# Altium PCB PDU.PcbDoc (continued)
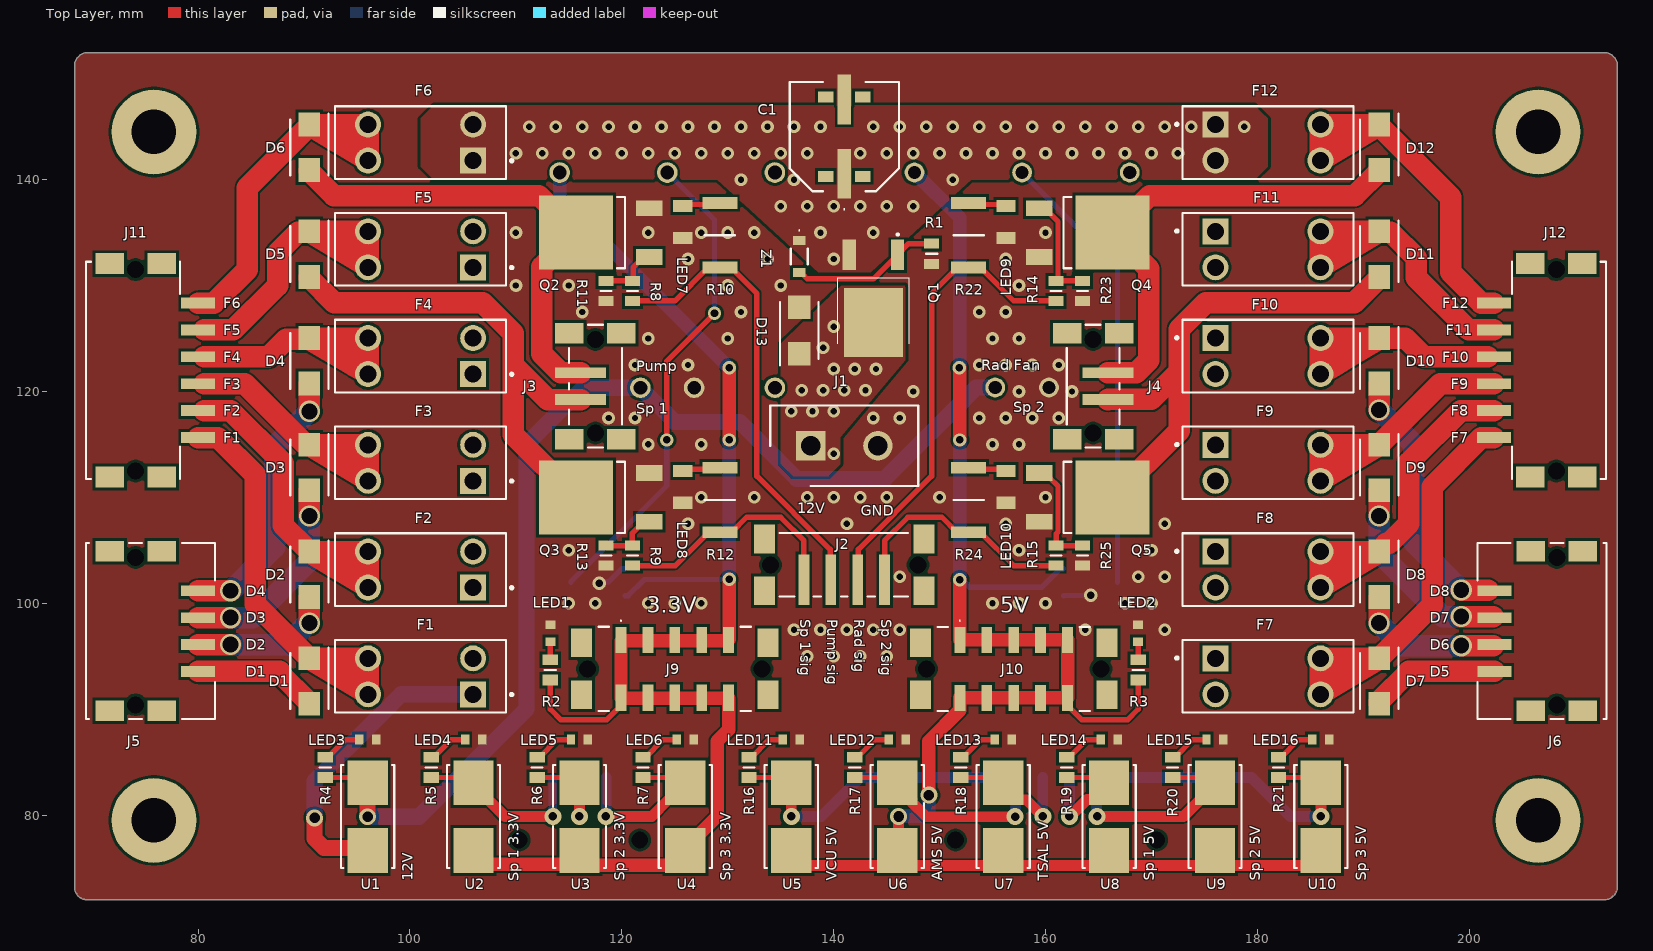
[diagram p0: Top Layer view]
## Part data (continued)
LED1 LED2 LED3 LED4 LED5 LED6 LED11 LED12 LED13 LED14 LED15 LED16: "LED", Arrow Part Number=19-217/GHC-YR1S2/3T, Manufacturer_Name=Everlight, Mouser Part Number=638-19217GHCYR1S23T, Arrow Price/Stock=https://www.arrow.com/en/products/19-217ghc-yr1s23t/everlight-electronics, Datasheet Link=https://www.mouser.co.uk/datasheet/2/143/19-217-GHC-YR1S2-3T-1663276.pdf, Height=0.5mm, Manufacturer_Part_Number=19-217/GHC-YR1S2/3T, Mouser Price/Stock=https://www.mouser.co.uk/ProductDetail/Everlight/19-217-GHC-YR1S2-3T?qs=8cKuZ6Ok2lZjmFTUzVFjDg%3D%3D
LED7 LED8 LED9 LED10: "LED", Manufacturer_Name=Kingbright, Mouser Part Number=604-APTR3216-VFX, Datasheet Link=https://componentsearchengine.com/Datasheets/1/APTR3216-VFX.pdf, Height=1.25mm, Manufacturer_Part_Number=APTR3216-VFX, Mouser Price/Stock=https://www.mouser.co.uk/ProductDetail/Kingbright/APTR3216-VFX?qs=PzGy0jfpSMt1rhGZsZb%2Fqw%3D%3D
PS1: "Power Supply", Manufacturer_Name="Traco Power", Manufacturer_Part_Number="THL 15-2411WI", Mouser Part Number=495-THL15-2411WI, Datasheet Link=https://tracopower.com/thl15wi-datasheet/, Mouser Price/Stock=https://www.mouser.co.uk/ProductDetail/TRACO-Power/THL-15-2411WI?qs=vLWxofP3U2zTxW0y6%2FAPOg%3D%3D
PS2: "Power Supply", Manufacturer_Name="Traco Power", Manufacturer_Part_Number="THN 15-2410N", Mouser Part Number=495-THN15-2410N, Datasheet Link=https://tracopower.com/thn15n-datasheet/, Height=10.4mm, Mouser Price/Stock=https://www.mouser.co.uk/ProductDetail/TRACO-Power/THN-15-2410N?qs=lc2O%252BfHJPVZmX9t5SPwnew%3D%3D
Q1: "MOSFET (P-Channel)", Manufacturer_Name=onsemi, Mouser Part Number=512-FDD6685, Arrow Part Number=FDD6685, Arrow Price/Stock=https://www.arrow.com/en/products/fdd6685/on-semiconductor?region=nac, Datasheet Link=https://www.onsemi.com/pub/Collateral/FDD6685-D.PDF, Height=2.39mm, Manufacturer_Part_Number=FDD6685, Mouser Price/Stock=https://www.mouser.co.uk/ProductDetail/onsemi-Fairchild/FDD6685?qs=lOBONITtCKxDT3dikVb2%252Bg%3D%3D
Q2 Q3 Q4 Q5: library part CMP-32901-000715-1, "MOSFET N-CH 55V 42A DPAK", Case/Package=TO-252-3, Continuous Drain Current (ID)=42A, Drain to Source Resistance=13.5mR, Drain to Source Voltage (Vdss)=55V, Gate to Source Voltage (Vgs)=16V, Input Capacitance=1.57nF, Max Operating Temperature=175°C, Max Power Dissipation=110W, Min Operating Temperature=-55°C, Halogen Free="Halogen Free", Height=0.094inch, Lead Free="Contains Lead", Length=0.264inch, Max Dual Supply Voltage=55V, Mount="Surface Mount", Number of Pins=3, Packaging="Cut Tape", Power Dissipation=110W, Rds On Max=13.5mR, RoHS Compliant=Yes, Series=HEXFET®, Turn-Off Delay Time=24ns, Turn-On Delay Time=14ns, Width=0.245inch
R1 R11 R13 R23 R25: "Resistor", Manufacturer_Name="Yageo Group", Mouser Part Number=603-RC0805FR-0710KL, Arrow Part Number=RC0805FR-0710KL, Arrow Price/Stock=https://www.arrow.com/en/products/rc0805fr-0710kl/yageo.html?utm_currency=USD&region=europe, Datasheet Link=https://www.yageo.com/upload/media/product/productsearch/datasheet/rchip/PYu-RC_Group_51_RoHS_L_11.pdf, Height=0.6mm, Manufacturer_Part_Number=RC0805FR-0710KL, Mouser Price/Stock=https://www.mouser.co.uk/ProductDetail/YAGEO/RC0805FR-0710KL?qs=7bY8808IzHq6vrU3BeiiYw%3D%3D
R2 R3 R4 R5 R6 R7 R16 R17 R18 R19 R20 R21: "Resistor", Manufacturer_Name="TE Connectivity", Mouser Part Number=279-CRG0805F470R, Arrow Part Number=CRG0805F470R, Arrow Price/Stock=https://www.arrow.com/en/products/crg0805f470r/te-connectivity?region=nac, Datasheet Link=https://www.te.com/commerce/DocumentDelivery/DDEController?Action=srchrtrv&DocNm=1773204&DocType=Data%20Sheet&DocLang=English&PartCntxt=1623232-1&DocFormat=pdf, Height=0.65mm, Manufacturer_Part_Number=CRG0805F470R, Mouser Price/Stock=https://www.mouser.co.uk/ProductDetail/TE-Connectivity-Holsworthy/CRG0805F470R?qs=VHcS2MTj4gY7OTd8XzqSww%3D%3D
R8 R9 R14 R15: "Resistor", Manufacturer_Name="Yageo Group", Mouser Part Number=603-RC0805FR-0733RL, Arrow Part Number=RC0805FR-0733RL, Arrow Price/Stock=https://www.arrow.com/en/products/rc0805fr-0733rl/yageo?region=nac, Datasheet Link=https://www.yageo.com/upload/media/product/productsearch/datasheet/rchip/PYu-RC_Group_51_RoHS_L_12.pdf, Height=0.6mm, Manufacturer_Part_Number=RC0805FR-0733RL, Mouser Price/Stock=https://www.mouser.co.uk/ProductDetail/YAGEO/RC0805FR-0733RL?qs=g6xwsc4j%252B%2Fq7KbipsIEOLQ%3D%3D
R10 R12 R22 R24: "Resistor", Manufacturer_Name="Yageo Group", Mouser Part Number=603-RC2512JK-07470RL, Arrow Part Number=RC2512JK-07470RL, Arrow Price/Stock=https://www.arrow.com/en/products/rc2512jk-07470rl/yageo, Datasheet Link=https://componentsearchengine.com/Datasheets/2/RC2512JK-07470RL.pdf, Height=0.65mm, Manufacturer_Part_Number=RC2512JK-07470RL, Mouser Price/Stock=https://www.mouser.com/Search/Refine.aspx?Keyword=603-RC2512JK-07470RL
U1 U2 U3 U4 U5 U6 U7 U8 U9 U10: "Undefined or Miscellaneous", Manufacturer_Name=LITTELFUSE, Mouser Part Number=576-01550900M, Arrow Part Number=01550900M, Arrow Price/Stock=https://www.arrow.com/en/products/01550900m/littelfuse.html?utm_currency=USD&region=europe, Datasheet Link=http://www.littelfuse.com/~/media/electronics/datasheets/fuses/littelfuse_fuse_154_154t_154l_154tl_datasheet.pdf.pdf, Height=3.81mm, Manufacturer_Part_Number=01550900M, Mouser Price/Stock=https://www.mouser.co.uk/ProductDetail/Littelfuse/01550900M?qs=DDoybve0rC%252BTXq1hqi5X1g%3D%3D
VR1 VR2: "Variable Resistor", Manufacturer_Name="Nidec Copal", Mouser Part Number=229-SM-42TX103, Datasheet Link=https://www.nidec-copal-electronics.com/e/catalog/trimmer/sm-42&sm-43.pdf, Height=5.3mm, Manufacturer_Part_Number=SM-42TX103, Mouser Price/Stock=https://www.mouser.co.uk/ProductDetail/Nidec-Components/SM-42TX103?qs=XeJtXLiO41SMjpR%2FkLkejw%3D%3D
Z1: "Zener Diode", Manufacturer_Name="Yageo Group", Arrow Part Number=BZT52C10W, Arrow Price/Stock=https://www.arrow.com/en/products/bzt52c10w/yageo.html?utm_currency=USD&region=europe, Datasheet Link=https://www.yageo.com/upload/media/product/products/datasheet/cpc/diode/zener/BZT52CXXW_1.pdf, Height=1.15mm, Manufacturer_Part_Number=BZT52C10W

## Free pads (board coordinates)
  round 8 hole 4.2: 6(206.5,79.5) 7(206.5,144.5) 8(75.828,144.5) 9(75.828,79.5)

## Via types
v1: diameter 1.2, hole 0.6, Top Layer to Bottom Layer, tented both sides, 158 vias
v2: diameter 2, hole 1.5, Top Layer to Bottom Layer, 12 vias
v3: diameter 1.27, hole 0.711, Top Layer to Bottom Layer, 10 vias
v4: diameter 1.6, hole 0.8, Top Layer to Bottom Layer, 9 vias
v5: diameter 1.6, hole 1, Top Layer to Bottom Layer, 4 vias

## Nets (pads, with @x,y where several pads share a name; then routed paths per layer and width w, separated by ;. In a path a pad name is that pad's centre, name@x,y a point inside that pad or via, vN(x,y) a via of type N, cw(c..) or ccw(c..) an arc to the next point about the centre after c; other vN are vias at no path point)
1: D1.1 F1.2 J11.A6 | length 48.7
  Top Layer w2.032: J11.A6 81.85,115.65 85.375,112.125 85.375,99.935 90.391,94.919 90.491,94.919 90.5,94.91 D1.1 ; D1.1 D1.1@90.509,94.701 ; D1.1 96.04,94.81 F1.2@96.04,91.41 ; D1.1@90.509,94.701 93.898,93.862 cw(c93.409,91.889) 95.164,92.914 95.165,92.912 F1.2@96.04,91.41 ; D1.1@90.509,94.701 F1.2@96.04,91.41
2: D2.1 F2.2 J11.A5 | length 41.3
  Top Layer w2.032: J11.A5@80.584,118.19 83.06,118.19 88.036,113.214 88.036,107.352 90.391,104.997 D2.1@90.491,104.997 ; D2.1@90.491,104.997 D2.1 ; D2.1@90.491,104.997 90.5,104.988 D2.1 ; D2.1 D2.1@90.509,104.779 ; D2.1 96.04,104.888 F2.2@96.04,101.488 ; D2.1@90.509,104.779 93.916,103.89 cw(c93.403,101.924) 95.141,102.977 95.143,102.974 F2.2@96.04,101.488 ; D2.1@90.509,104.779 F2.2@96.04,101.488
3: D3.1 F3.2 J11.A4 | length 34.8
  Top Layer w2.032: J11.A4@80.584,120.73 84.395,120.73 90.05,115.075 D3.1@90.491,115.075 ; D3.1@90.491,115.075 D3.1 ; D3.1@90.491,115.075 90.5,115.066 D3.1 ; D3.1 D3.1@90.509,114.857 ; D3.1 96.04,114.966 F3.2@96.04,111.566 ; D3.1@90.509,114.857 93.89,114.014 cw(c93.399,112.042) 95.147,113.078 95.148,113.076 F3.2@96.04,111.566 ; D3.1@90.509,114.857 F3.2@96.04,111.566
3.3V: J9.A1 J9.A2 J9.A3 J9.A4 J9.A5 J9.B1 J9.B2 J9.B3 J9.B4 J9.B5 PS2.3 R2.2 U2.1 U3.1 U4.1 VR2.3 | length 136.5
  Top Layer w0.508: R2.2 113.25,90 114.25,89 118.567,89 119.92,90.353 119.92,91.015 J9.B1
  Top Layer w1.27: U2.1 107.3,75.375 114.726,75.375 U3.1@116,76.649 ; U3.1 U3.1@116,76.649 ; J9.B1@119.92,91.015 130.08,91.015 130.08,88.08 129,87 129,79.89 126,76.89 U4.1 124.575,75.25 117.399,75.25 U3.1@116,76.649 ; J9.B1 119.92,96.485 J9.A3@125,96.485 ; J9.A3 J9.A3@125,96.485 ; v3(130.125,102.25) 130.125,96.593 J9.A5 130.018,96.485 J9.A3@125,96.485 ; v3(130.125,115.42) v3(130.125,122.25)
  Bottom Layer w0.508: VR2.3 120.6,100.73 122.12,102.25 v3(130.125,102.25)
  Bottom Layer w1.27: PS2.3 114.13,138.245 v3(130.125,122.25) ; v3(130.125,102.25) v3(130.125,115.42)
4: D4.1 F4.2 J11.A3 | length 29.5
  Top Layer w2.032: J11.A3@80.584,123.27 86.645,123.27 88.31,124.935 90.491,124.935 90.5,124.944 D4.1 93.906,125.044 96.04,125.044 F4.2@96.04,121.644 ; D4.1@90.425,124.915 94.756,122.392 94.758,122.391 F4.2@96.04,121.644 ; 93.906,124.08 cw(c93.426,122.106) 95.184,123.125 95.185,123.123 F4.2@96.04,121.644
5: D5.1 F5.2 J11.A2 | length 38
  Top Layer w2.032: J11.A2@80.584,125.81 83.31,125.81 87.5,130 87.5,133.118 89.395,135.013 90.491,135.013 90.5,135.022 D5.1 ; D5.1 D5.1@90.509,135.013 ; D5.1 96.04,135.122 F5.2@96.04,131.722 ; D5.1@90.509,135.013 93.931,134.114 cw(c93.415,132.149) 95.157,133.196 95.158,133.193 F5.2@96.04,131.722 ; D5.1@90.509,135.013 F5.2@96.04,131.722
5V: J10.A1 J10.A2 J10.A3 J10.A4 J10.A5 J10.B1 J10.B2 J10.B3 J10.B4 J10.B5 PS1.3 R3.2 U5.1 U6.1 U7.1 U8.1 U9.1 U10.1 VR1.3 | length 167.7
  Top Layer w0.508: J10.B5 162.08,90.35 163.43,89 167.75,89 168.75,90 R3.2
  Top Layer w1.016: U5.1 137.425,75.25 144.575,75.25 U6.1 ; v5(146.125,79.875) 146.125,76.8 U6.1 ; v3(151.875,122.25) v3@151.898,122.227 ; v3@151.898,115.443 v3(151.92,115.42) ; U10.1 184.575,75.25 177.425,75.25 U9.1 174.575,75.25 167.425,75.25 U8.1 164.575,75.25 157.425,75.25 U7.1 154.575,75.25 147.425,75.25 U6.1
  Top Layer w1.27: v5(148.991,81.887) 148.991,86.991 151.92,89.92 J10.B1 J10.B3 J10.B4 J10.B5 J10.A5 J10.A4 J10.A3 J10.A2 J10.A1 v3(151.92,102.235) ; v3@151.898,115.443 v3@151.898,122.227
  Bottom Layer w0.508: v3(151.92,102.235) 152.126,102.235 152.862,101.5 159.63,101.5 161.4,103.27 VR1.3
  Bottom Layer w1.27: v5(146.125,79.875) 146.127,79.877 148.377,79.877 148.991,80.491 v5(148.991,81.887) ; PS1.3 151.92,136.385 151.92,122.295 v3(151.875,122.25) ; v3(151.92,102.235) v3(151.92,115.42)
6: D6.1 F6.2 J11.A1 | length 44.4
  Top Layer w2.032: J11.A1 81.475,128.35 84.625,131.5 84.625,139.225 D6.1@90.5,145.1 ; D6.1@90.5,145.1 D6.1 ; D6.1@90.5,145.1 D6.1@90.509,145.091 ; D6.1 D6.1@90.509,145.091 ; D6.1 96.04,145.2 F6.2@96.04,141.8 ; D6.1@90.509,145.091 93.906,144.237 cw(c93.411,142.267) 95.162,143.297 95.164,143.294 F6.2@96.04,141.8 ; D6.1@90.509,145.091 F6.2@96.04,141.8
7: D7.1 F7.2 J12.A1 | length 48.3
  Top Layer w2.032: D7.1@191.5,94.91 191.509,94.919 191.609,94.919 196.5,99.81 196.5,111 201.15,115.65 J12.A1@202.325,115.65 ; F7.2@185.96,91.41 186.835,92.912 186.836,92.914 cw(c188.591,91.889) 188.102,93.862 D7.1@191.491,94.701 ; F7.2@185.96,91.41 D7.1@191.491,94.701 ; F7.2@185.96,91.41 185.96,94.81 D7.1 D7.1@191.491,94.701
8: D8.1 F8.2 J12.A2 | length 42.1
  Top Layer w2.032: J12.A2@202.325,118.19 199.19,118.19 194.298,113.298 194.298,107.516 192.461,105.679 192.191,105.679 191.5,104.988 D8.1@191.5,104.888 ; F8.2@185.96,101.488 186.955,103.079 cw(c188.678,102.002) 188.197,103.976 D8.1@191.491,104.779 ; F8.2@185.96,101.488 D8.1@191.491,104.779 ; F8.2@185.96,101.488 185.96,104.888 D8.1@191.5,104.888 ; D8.1@191.491,104.779 D8.1@191.5,104.888
9: D9.1 F9.2 J12.A3 | length 35.6
  Top Layer w2.032: D9.1 185.96,114.966 F9.2@185.96,111.566 ; D9.1@191.5,115.066 191.509,115.075 D9.1@191.609,115.075 ; J12.A3@202.325,120.73 197.264,120.73 D9.1@191.609,115.075 ; F9.2@185.96,111.566 186.848,113.069 cw(c188.597,112.036) 188.103,114.007 D9.1@191.491,114.857 ; F9.2@185.96,111.566 D9.1@191.491,114.857 ; D9.1@191.491,114.857 191.539,114.945 D9.1@191.609,115.075
10: D10.1 F10.2 J12.A4 | length 29.8
  Top Layer w2.032: 188.18,124.102 ccw(c188.675,122.132) 186.961,123.222 186.959,123.22 F10.2@185.96,121.644 ; D10.1@191.491,124.935 188.68,123.262 187.392,122.496 187.391,122.495 F10.2@185.96,121.644 ; J12.A4@201.741,123.27 195.73,123.27 193.956,125.044 D10.1 188.18,125.044 185.96,125.044 F10.2@185.96,121.644
11: D11.1 F11.2 J12.A5 | length 38.2
  Top Layer w2.032: D11.1@191.5,135.022 191.509,135.013 192.612,135.013 195,132.625 195,130.75 199.94,125.81 J12.A5@202.325,125.81 ; F11.2@185.96,131.722 186.842,133.193 cw(c188.585,132.149) 188.069,134.114 D11.1@191.491,135.013 ; F11.2@185.96,131.722 D11.1@191.491,135.013 ; F11.2@185.96,131.722 185.96,135.122 D11.1 ; D11.1@191.491,135.013 D11.1 ; D11.1@191.491,135.013 D11.1
12: D12.1 F12.2 J12.A6 | length 44.2
  Top Layer w2.032: D12.1@191.509,145.091 198.25,138.35 198.25,131.25 201.15,128.35 J12.A6@202.325,128.35 ; F12.2@185.96,141.8 186.836,143.294 cw(c188.589,142.267) 188.094,144.237 D12.1@191.491,145.091 ; F12.2@185.96,141.8 D12.1@191.491,145.091 ; F12.2@185.96,141.8 185.96,145.2 D12.1 D12.1@191.491,145.091
12V: C1.1 F1.1 F2.1 F3.1 F4.1 F5.1 F6.1 F7.1 F8.1 F9.1 F10.1 F11.1 F12.1 Q1.3 U1.1 Z1.1 | length 29.2
  Top Layer w1.524: v5(91,79.75) 91,77.783 91.893,76.89 U1.1@96,76.89
  Bottom Layer w1.524: v5(91,79.75) 91,83.236 96.933,89.169 96.968,89.169 98.281,90.482 98.281,90.517 99.174,91.41 F1.1@105.96,91.41
  other v1: 140,132.5 138.75,135 143.75,135 135,137.5 137.5,137.5 140,137.5 142.5,137.5 145,137.5 147.5,137.5 131.25,140 136.25,140 151.25,140 110,142.5 112.5,142.5 115,142.5 117.5,142.5 120,142.5 122.5,142.5 125,142.5 127.5,142.5 130,142.5 132.5,142.5 135,142.5 137.5,142.5 142.5,142.5 145,142.5 147.5,142.5 150,142.5 152.5,142.5 155,142.5 157.5,142.5 160,142.5 162.5,142.5 165,142.5 167.5,142.5 170,142.5 172.5,142.5 111.25,145 113.75,145 116.25,145 118.75,145 121.25,145 123.75,145 126.25,145 128.75,145 131.25,145 133.75,145 136.25,145 138.75,145 143.75,145 146.25,145 148.75,145 151.25,145 153.75,145 156.25,145 158.75,145 161.25,145 163.75,145 166.25,145 168.75,145 171.25,145 173.75,145 178.75,145
"12V Fused": PS1.1 PS2.1 R4.2 U1.2 | length 105.2
  Top Layer w0.508: R4.2 95.505,83.55 U1.2
  Top Layer w1.524: v5(96,79.849) U1.2
  Bottom Layer w1.524: v5(96,79.849) 100.849,79.849 111,90 111,115 116.35,120.35 PS2.1 124.978,117.122 131.128,117.122 136.5,111.75 144.816,111.75 153.441,120.375 PS1.1
+12: D13.1 J1.1 Q1.2
  other v1: 140,114.125 136,118.125 138,118.125 140,118.125 137,120.125 139,120.125 141,120.125 143,120.125 140,122.125 142,122.125 144,122.125 139,124.125 140,126.125
"AMS 5V": J8.A5 R17.2 U6.2 | length 21.4
  Top Layer w0.508: R17.2 145.29,83.55 U6.2@146,82.84
  Top Layer w1.016: U6.2@145.505,83.55 U6.2 146,82.84 147.397,81.443 147.397,81.2 148.744,79.853 v4(157.126,79.853)
  Bottom Layer w1.016: v4(157.126,79.853) 157.188,79.915 157.188,83.548 J8.A5
D1: D1.2 J5.A4 | length 11.9
  Top Layer w2.032: J5.A4 87.685,93.565 87.685,93.425 90.5,90.61 D1.2 D1.2@90.491,90.519
D2: D2.2 J5.A3 | length 13.7
  Top Layer w2.032: J5.A3 v2(83.054,96.105) ; v2@90.5,98.25 D2.2
  Bottom Layer w2.032: v2(83.054,96.105) 88.355,96.105 v2@90.5,98.25
  other v2: 90.5,98.125
D3: D3.2 J5.A2 | length 19.4
  Top Layer w2.032: J5.A2 v2(83.054,98.645) ; v2(90.5,108.25) D3.2
  Bottom Layer w2.032: v2(83.054,98.645) 85.145,98.645 90.5,104 v2(90.5,108.25)
D4: D4.2 J5.A1 | length 25.7
  Top Layer w2.032: J5.A1 v2(83.054,101.185) ; v2(90.5,118.125) D4.2
  Bottom Layer w2.032: v2@83.119,101.185 87.25,105.316 87.25,114.875 v2(90.5,118.125)
D5: D7.2 J6.A1 | length 12.3
  Top Layer w2.032: D7.2 191.509,90.519 191.509,90.759 194.315,93.565 J6.A1
D6: D8.2 J6.A2 | length 14.1
  Top Layer w2.032: v2(191.5,98.125) D8.2 ; v2(199.25,96) J6.A2@202.27,96
  Bottom Layer w2.032: v2(191.5,98.125) 193.625,96 v2(199.25,96)
D7: D9.2 J6.A3 | length 19.2
  Top Layer w2.032: v2(191.5,108.25) D9.2 ; v2(199.25,98.75) J6.A3@202.27,98.75
  Bottom Layer w2.032: v2(191.5,108.25) 191.5,104.75 197.5,98.75 v2(199.25,98.75)
D8: D10.2 J6.A4 | length 25.2
  Top Layer w2.032: v2(191.5,118.25) D10.2 ; v2(199.25,101.25) J6.A4@201.791,101.25
  Bottom Layer w2.032: v2(191.5,118.25) 194.75,115 194.75,105.75 v2(199.25,101.25)
GND: C1.2 D13.2 J1.2 LED1.1 LED2.1 LED3.1 LED4.1 LED5.1 LED6.1 LED7.1 LED8.1 LED9.1 LED10.1 LED11.1 LED12.1 LED13.1 LED14.1 LED15.1 LED16.1 PS1.2 PS2.2 Q2.3 Q3.3 Q4.3 Q5.3 R1.1 R11.1 R13.1 R23.1 R25.1 VR1.1 VR2.1 | length 5.6
  Bottom Layer w0.508: v3(117.875,101.875) 118.021,102.021 118.751,102.021 120,103.27 VR2.1 ; VR1.1 161.71,100.74 164.24,100.74 v3(164.25,100.75)
  other v1: 137.5,95 140,95 142.5,95 145,95 136.25,97.5 138.75,97.5 141.25,97.5 143.75,97.5 146.25,97.5 163.75,97.5 171.25,97.5 115,100 117.5,100 122.5,100 125,100 127.5,100 155,100 157.5,100 160,100 167.5,100 170,100 146.25,102.5 168.75,102.5 171.25,102.5 115,105 157.5,105 170,105 126.25,107.5 141.25,107.5 156.25,107.5 171.25,107.5 127.5,110 132.5,110 137.5,110 140,110 142.5,110 145,110 150,110 160,110 122.5,115 127.5,115 155,115 157.5,115 118.75,117.5 121.25,117.5 143.75,117.5 146.25,117.5 153.75,117.5 156.25,117.5 158.75,117.5 161.25,117.5 147.5,120 157.5,120 162.5,120 121.25,122.5 126.25,122.5 153.75,122.5 156.25,122.5 158.75,122.5 161.25,122.5 122.5,125 130,125 155,125 157.5,125 116.25,127.5 131.25,127.5 153.75,127.5 156.25,127.5 110,130 115,130 130,130 135,130 157.5,130 126.25,132.5 133.75,132.5 156.25,132.5 110,135 122.5,135 127.5,135 130,135 132.5,135 160,135
NetLED1_2: LED1.2 R2.1 | length 1.7
  Top Layer w0.508: R2.1 LED1.2
NetLED2_2: LED2.2 R3.1 | length 1.7
  Top Layer w0.508: R3.1 LED2.2
NetLED3_2: LED3.2 R4.1 | length 3.9
  Top Layer w0.508: R4.1 92.225,85.45 93.9,87.125 LED3.2
NetLED4_2: LED4.2 R5.1 | length 3.9
  Top Layer w0.508: R5.1 102.225,85.45 103.9,87.125 LED4.2
NetLED5_2: LED5.2 R6.1 | length 3.9
  Top Layer w0.508: R6.1 112.225,85.45 113.9,87.125 LED5.2
NetLED6_2: LED6.2 R7.1 | length 3.9
  Top Layer w0.508: R7.1 122.225,85.45 123.9,87.125 LED6.2
NetLED7_2: LED7.2 R10.1 | length 3.6
  Top Layer w0.508: LED7.2 125.9,137.65 129.1,137.65 R10.1
NetLED8_2: LED8.2 R12.1 | length 3.6
  Top Layer w0.508: LED8.2 125.9,112.65 129.1,112.65 R12.1
NetLED9_2: LED9.2 R22.1 | length 3.6
  Top Layer w0.508: R22.1 152.9,137.65 156.1,137.65 LED9.2
NetLED10_2: LED10.2 R24.1 | length 3.6
  Top Layer w0.508: R24.1 152.9,112.65 156.1,112.65 LED10.2
NetLED11_2: LED11.2 R16.1 | length 3.9
  Top Layer w0.508: R16.1 132.225,85.45 133.9,87.125 LED11.2
NetLED12_2: LED12.2 R17.1 | length 3.9
  Top Layer w0.508: R17.1 142.225,85.45 143.9,87.125 LED12.2
NetLED13_2: LED13.2 R18.1 | length 3.9
  Top Layer w0.508: R18.1 152.225,85.45 153.9,87.125 LED13.2
NetLED14_2: LED14.2 R19.1 | length 3.9
  Top Layer w0.508: R19.1 162.225,85.45 163.9,87.125 LED14.2
NetLED15_2: LED15.2 R20.1 | length 3.9
  Top Layer w0.508: R20.1 172.225,85.45 173.9,87.125 LED15.2
NetLED16_2: LED16.2 R21.1 | length 3.9
  Top Layer w0.508: R21.1 182.225,85.45 183.9,87.125 LED16.2
NetPS1_4: PS1.4 VR1.2 | length 42.4
  Bottom Layer w0.508: PS1.4 166.8,131.665 VR1.2
NetPS2_4: PS2.4 VR2.2 | length 46.1
  Top Layer w0.508: v3(124.25,115.42) 124.25,122.875 v3(128.75,127.375)
  Bottom Layer w0.508: VR2.2 115.2,102.05 124.25,111.1 v3(124.25,115.42) ; PS2.4 128.75,136.21 v3(128.75,127.375)
NetQ1_1: Q1.1 R1.2 Z1.2 | length 14.1
  Top Layer w0.508: Z1.2 136.925,131.225 137.223,130.927 137.223,130.923 137.521,130.625 143.755,130.625 Q1.1 147.08,133.95 R1.2
NetQ2_1: Q2.1 R8.2 R11.2 | length 5.7
  Top Layer w0.508: R11.2 R8.2 121.062,130.512 121.062,131.687 122.075,132.7 Q2.1
NetQ3_1: Q3.1 R9.2 R13.2 | length 5.7
  Top Layer w0.508: R13.2 R9.2 121,106.625 122.075,107.7 Q3.1
NetQ4_1: Q4.1 R14.2 R23.2 | length 10.4
  Top Layer w0.508: Q4.1 159.921,136.804 160.421,136.804 161.183,136.042 161.183,130.633 R14.2 161.183,130.45 R23.2
NetQ5_1: Q5.1 R15.2 R25.2 | length 10.3
  Top Layer w0.508: Q5.1 159.921,111.804 160.446,111.804 161.183,111.067 161.183,106.74 161,106.557 R15.2 ; R15.2@161.183,105.45 R25.2
Pump: D6.2 J3.A1 Q2.4 | length 44.9
  Top Layer w2.032: D6.2 90.509,140.891 90.509,140.791 92.8,138.5 112.175,138.5 Q2.4 112.43,131.755 112.43,123.57 114.23,121.77 J3.A1
"Pump sig": J2.A2 R8.1 R10.2 | length 44
  Top Layer w0.508: R8.1 125,128.55 128.15,131.7 130.35,131.7 130.646,131.404 130.646,131.354 132.75,129.25 132.75,112.012 139.672,105.089 139.672,102.283 J2.A2
"Rad fan": D12.2 J4.A2 Q4.4 | length 45.5
  Top Layer w2.032: J4.A2 168.56,121.77 169.75,122.96 169.75,131.575 Q4.4 169.825,138.5 189.2,138.5 191.5,140.8 D12.2
"Rad fan sig": J2.A3 R14.1 R22.2 | length 44
  Top Layer w0.508: J2.A3 142.328,102.283 142.328,105.089 149.25,112.012 149.25,129.25 151.354,131.354 151.354,131.404 152.454,131.404 R22.2 153.85,131.7 157,128.55 R14.1
"Spare 1": D5.2 J3.A2 Q3.4 | length 47.2
  Top Layer w2.032: D5.2 90.509,130.813 90.509,130.713 92.847,128.375 106.875,128.375 109.75,125.5 109.75,115.925 Q3.4 ; 109.75,122.5 113.02,119.23 J3.A2
"Spare 1 3.3V": J7.A3 R5.2 U2.2 | length 17.6
  Top Layer w0.508: R5.2 105.29,83.55 U2.2@106,82.84
  Top Layer w1.016: U2.2@105.505,83.55 U2.2 106,82.84 108.974,79.866 113.491,79.866 v4(113.5,79.875)
  Bottom Layer w0.762: J7.A3 113.48,83.53 113.48,79.895 v4(113.5,79.875)
"Spare 1 5V": J8.A3 R19.2 U8.2 | length 14
  Top Layer w0.508: R19.2 165.335,83.55 U8.2@166,82.885
  Top Layer w1.016: v4@162.25,80.033 v4(162.25,79.875) 162.311,79.875 163.924,81.488 164.603,81.488 166,82.885 U8.2 U8.2@165.505,83.55
  Bottom Layer w1.016: v4(162.25,79.875) 162.268,79.893 162.268,83.548 J8.A3
"Spare 1 sig": J2.A1 R9.1 R12.2 | length 22.7
  Top Layer w0.508: R9.1 125.05,103.55 127.854,106.354 127.854,106.404 128.15,106.7 R12.2 130.35,106.7 131.775,108.125 135,108.125 137.19,105.935 J2.A1
"Spare 2": D11.2 J4.A1 Q5.4 | length 47.3
  Top Layer w2.032: J4.A1 165.92,119.25 170,119.25 172.625,121.875 ; Q5.4 172.625,116.3 172.625,121.875 ; D11.2 191.5,130.722 189.153,128.375 175.125,128.375 172.625,125.875 172.625,121.875
"Spare 2 3.3V": J7.A2 R6.2 U3.2 | length 11.1
  Top Layer w0.508: R6.2 115.505,83.55 U3.2
  Top Layer w1.016: v4(116,79.875) U3.2
  Bottom Layer w1.016: v4(116,79.875) J7.A2
"Spare 2 5V": J8.A2 R20.2 U9.2 | length 20.5
  Top Layer w0.508: R20.2 U9.2@175.505,83.55
  Top Layer w1.016: v4(164.875,79.875) 173.035,79.875 176,82.84 U9.2 U9.2@175.505,83.55
  Bottom Layer w1.016: J8.A2 164.812,83.548 164.812,79.938 v4(164.875,79.875)
"Spare 2 sig": J2.A4 R15.1 R24.2 | length 22.7
  Top Layer w0.508: J2.A4 144.81,105.935 147,108.125 150.225,108.125 151.65,106.7 R24.2 153.85,106.7 157,103.55 R15.1
"Spare 3 3.3V": J7.A1 R7.2 U4.2 | length 17.6
  Top Layer w0.508: R7.2 125.29,83.55 U4.2@126,82.84
  Top Layer w1.016: v4(118.5,79.875) 122.82,79.875 124.388,81.443 124.603,81.443 126,82.84 U4.2 U4.2@125.505,83.55
  Bottom Layer w1.016: v4(118.5,79.875) 118.538,79.913 118.538,83.548 J7.A1
"Spare 3 5V": J8.A1 R21.2 U10.2 | length 27.5
  Top Layer w0.508: R21.2 U10.2@185.505,83.55
  Top Layer w1.016: U10.2@185.555,83.5 U10.2 v4(186,79.875)
  Bottom Layer w1.016: J8.A1 179.45,83.55 183.125,79.875 v4(186,79.875)
"TSAL 5V": J8.A4 R18.2 U7.2 | length 13.2
  Top Layer w0.508: R18.2 155.29,83.55 U7.2@156,82.84
  Top Layer w1.016: U7.2 156,82.84 157.397,81.443 158.182,81.443 v4(159.75,79.875)
  Bottom Layer w1.016: J8.A4 159.732,83.548 159.732,79.893 v4(159.75,79.875)
"VCU 5V": J8.A6 R16.2 U5.2 | length 27.6
  Top Layer w0.508: R16.2 U5.2@135.505,83.55
  Top Layer w1.016: U5.2@135.505,83.55 U5.2 v4(136,79.875)
  Bottom Layer w1.016: v4(136,79.875) 138.825,79.875 142.5,83.55 J8.A6
pads on no net: C1.3 C1.4 C1.5 C1.6 J2.MH1 J2.MH2 J2.MP1 J2.MP2 J2.MP3 J2.MP4 J3.MH1 J3.MH2 J3.MP1 J3.MP2 J3.MP3 J3.MP4 J4.MH1 J4.MH2 J4.MP1 J4.MP2 J4.MP3 J4.MP4 J5.1 J5.2 J5.3 J5.4 J5.5 J5.6 J6.1 J6.2 J6.3 J6.4 J6.5 J6.6 J7.MH1 J7.MH2 J7.MP1 J7.MP2 J7.MP3 J7.MP4 J8.MH1 J8.MH2 J8.MP1 J8.MP2 J8.MP3 J8.MP4 J9.1 J9.2 J9.3 J9.4 J9.5 J9.6 J10.1 J10.2 J10.3 J10.4 J10.5 J10.6 J11.MH1 J11.MH2 J11.MP1 J11.MP2 J11.MP3 J11.MP4 J12.MH1 J12.MH2 J12.MP1 J12.MP2 J12.MP3 J12.MP4 PS1.5 PS2.5 PS2.6

## Polygon pours and split planes (outlines as drawn)
GND on Top Layer "GND_L01_P026" (solid, pour order 26): 68.328,73.192 68.328,150.73 cw(c69.598,150.73) 69.598,152 70.156,152 143,152 212.73,152 cw(c212.73,150.73) 214,150.73 214,73.27 cw(c212.73,73.27) 212.73,72 212.75,72 70.125,72 69.52,72 cw(c69.52,73.192)
12V on Top Layer "12V_L01_P013" (solid, remove dead copper, pour order 13): 181,141.25 179.75,140 153,140 143.5,131.25 138.554,131.25 129,140 102.25,140 101,141.25 101,145.75 102.25,147 179.75,147 181,145.75
+12 on Top Layer "+12_L01_P019" (solid, remove dead copper, pour order 19): 140.625,113.125 140.625,115.66 146.779,122.996 146.779,130.004 140.721,130.004 135.024,124.522 135.024,113.13 136.158,111.996 139.496,111.996
GND on Bottom Layer "GND_L02_P027" (solid, pour order 27): 68.328,73.192 68.328,150.73 cw(c69.598,150.73) 69.598,152 70.156,152 143,152 212.73,152 cw(c212.73,150.73) 214,150.73 214,73.27 cw(c212.73,73.27) 212.73,72 212.75,72 70.125,72 69.52,72 cw(c69.52,73.192)
12V on Bottom Layer "Bottom Layer-12V" (solid, pour order 24): 102.259,89.556 107.806,89.556 109.064,90.814 109.064,140.018 129.005,140.018 138.558,131.268 143.505,131.268 153.005,140.018 172.935,140.018 172.935,90.815 174.195,89.555 179.742,89.555 181,90.813 181,141.264 181.005,141.268 181.005,145.768 179.755,147.018 102.255,147.018 101.005,145.768 101.005,145.755 100.999,145.749 100.999,90.816
+12 on Bottom Layer "+12_L02_P021" (solid, pour order 21): 140.625,113.125 140.637,115.644 146.779,123.022 146.779,130 140.721,130.004 135.024,124.522 135.024,113.104 136.158,111.97 139.484,111.97

## Silkscreen, mask and mechanical layers (free items; w line width, h text height)
Top Overlay:
  text "F6" at 82.354,127.85 h1
  text "F12" at 197.436,127.85 h1
  text "F5" at 82.354,125.31 h1
  text "F11" at 197.77,125.31 h1
  text "F4" at 82.354,122.77 h1
  text "F10" at 197.436,122.77 h1
  text "Rad Fan" at 153.956,122.02 h1
  text "Pump" at 121.379,121.917 h1
  text "F3" at 82.354,120.23 h1
  text "F9" at 198.269,120.23 h1
  text "Sp 2" at 156.956,118.022 h1
  text "Sp 1" at 121.379,117.917 h1
  text "F2" at 82.354,117.69 h1
  text "F8" at 198.269,117.69 h1
  text "F1" at 82.354,115.15 h1
  text "F7" at 198.269,115.15 h1
  text "12V" at 136.575,108.496 h1
  text "GND" at 142.574,108.251 h1
  text "D4" at 84.504,100.685 h1
  text "D8" at 196.254,100.685 h1
  text "3.3V" at 122.334,99.113 h1.52
  text "5V" at 155.73,99.113 h1.52
  text "Sp 1 sig" at 136.857,98.499 h1 r270
  text "Pump sig" at 139.397,98.499 h1 r270
  text "Rad sig" at 141.937,98.499 h1 r270
  text "Sp 2 sig" at 144.477,98.499 h1 r270
  text "D3" at 84.504,98.145 h1
  text "D7" at 196.254,98.145 h1
  text "D2" at 84.504,95.605 h1
  text "D6" at 196.254,95.605 h1
  text "D1" at 84.504,93.065 h1
  text "D5" at 196.254,93.065 h1
  text "12V" at 100.269,73.809 h1 r90
  text "Sp 2 3.3V" at 120.269,73.809 h1 r90
  text "Sp 3 3.3V" at 130.269,73.809 h1 r90
  text "VCU 5V" at 140.269,73.809 h1 r90
  text "AMS 5V" at 150.269,73.809 h1 r90
  text "TSAL 5V" at 160.269,73.809 h1 r90
  text "Sp 1 5V" at 170.269,73.809 h1 r90
  text "Sp 2 5V" at 180.269,73.809 h1 r90
  text "Sp 3 5V" at 190.269,73.809 h1 r90
  text "Sp 1 3.3V" at 110.254,73.754 h1 r90
Bottom Overlay:
  drawing of 67 lines, arcs and shapes, not listed
  text "Sp 2 3.3V" at 116.333,94.901 h1 r90
  text "Sp 3 3.3V" at 118.873,94.901 h1 r90
  text "Sp 1 3.3V" at 113.793,94.735 h1 r90
  text "TSAL 5V" at 160.23,93.069 h1 r90
  text "Sp 2 5V" at 165.145,93.069 h1 r90
  text "Sp 3 5V" at 167.685,93.069 h1 r90
  text "Sp 1 5V" at 162.603,92.902 h1 r90
  text "VCU 5V" at 155.148,92.069 h1 r90
  text "AMS 5V" at 157.688,92.069 h1 r90
  text "Designed By Pritham" at 87.58,73.417 h1
Mechanical 1:
  lines w0.254: 212.73,72 ccw(c212.73,73.27) 214,73.27 214,150.73 ccw(c212.73,150.73) 212.73,152 143,152 70.156,152 69.676,152 69.598,152 ccw(c69.598,150.73) 68.328,150.73 68.328,73.192 ccw(c69.52,73.192) 69.52,72 70.125,72 212.75,72